# Altium PCB LimeSDR_Mini_1v1_Rounded_soldermask.PcbDoc (part 2 of 5)
Units mm, origin at the board's own origin, x right, y up, seen from the top; angles counter-clockwise.
Board outline 69 x 31.37 mm, 8 copper layers (Top, L2, L3, L4, L5, L6, L7, Bottom), stack 1.555 mm thick; 371 components, 281 nets, 1650 pads, 777 vias.
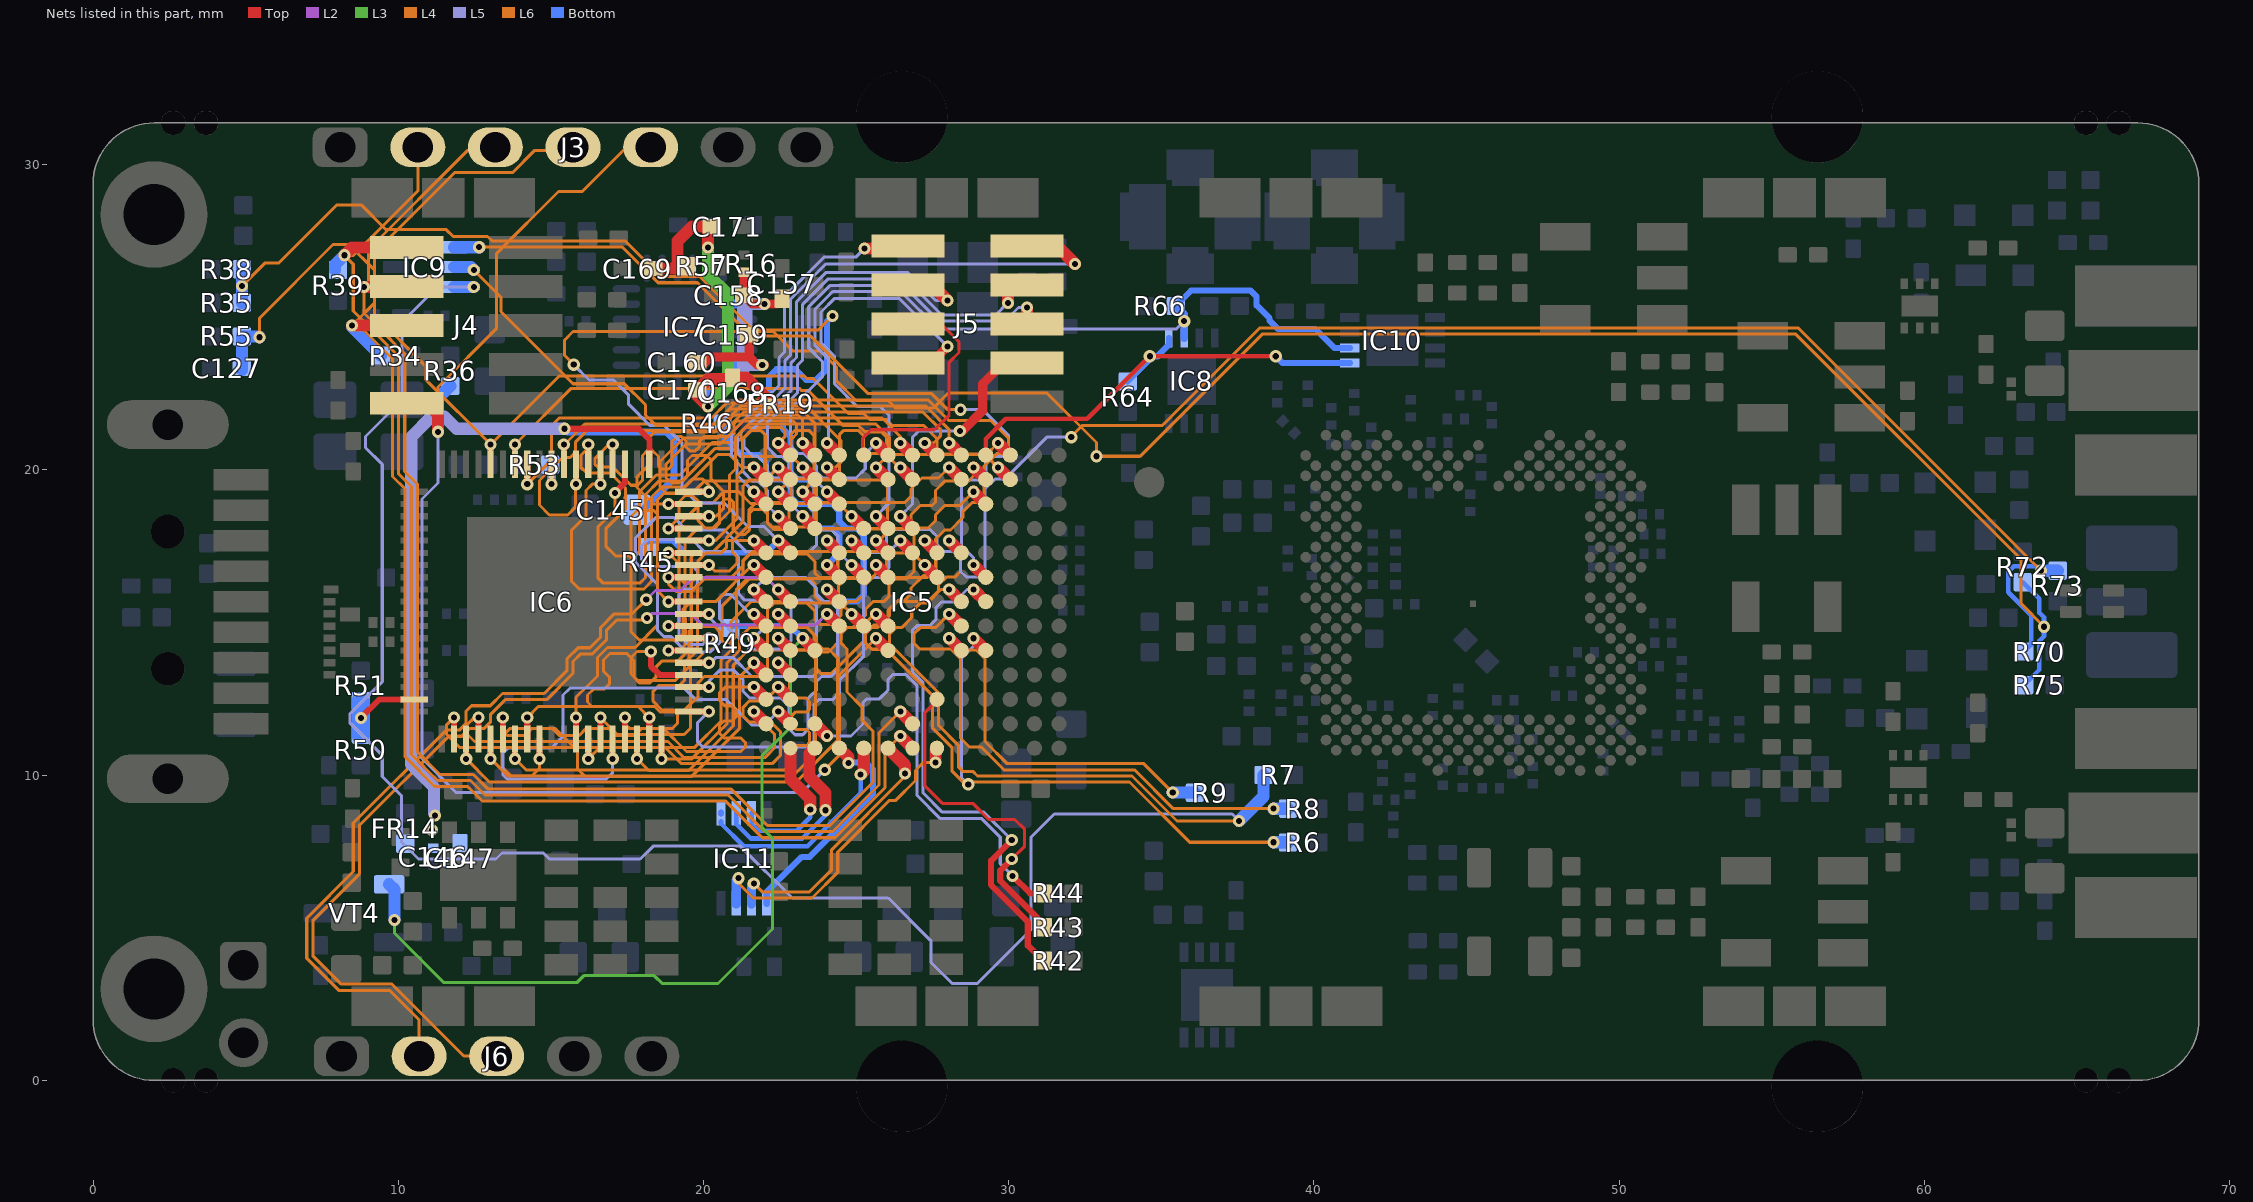
[diagram p8: the nets of this part, all layers, seen from the top]

## Footprints (in the part's own frame and the unit in brackets; to place one, negate y for a bottom-side part, rotate by r counter-clockwise, add the part's x,y. Pads: shape width x height; smd on the part's side, far side on the other; paste and mask are expansions set on the pad) (continued)
RES0805#1 [mm] "Chip Resistor, Body 2.0x1.2mm, 0805, IPC Medium Density"
  round 0.254 on Mech14: 0(0,0)
  rrect25% 0.8x1.3 smd: 1(-1,0) 2(1,0)
  Top pour cut-out: -0.6,0.75 0.6,0.75 0.6,-0.75 -0.6,-0.75
  silkscreen extent -0.38,-0.64 0.38,0.64, body extent -1.1,-0.67 1.1,0.68, height 0.69
RES0805#2 [mm] "Chip Resistor, Body 2.0x1.2mm, 0805, IPC Medium Density"
  round 0.254 on Mech15: 0(0,0)
  rrect25% 0.8x1.3 smd: 1(-1,0) 2(1,0)
  Top pour cut-out: -0.6,0.75 0.6,0.75 0.6,-0.75 -0.6,-0.75
  silkscreen extent -0.38,-0.63 0.38,0.64, body extent -1.1,-0.67 1.1,0.68, height 0.69
RES0805_0603 [mm] "Universal 0805 0603 footprint"
  round 0.254 on Mech15: 0(0,0)
  rrect25% 1x1.3 smd paste-3: 1(-0.9,0) 2(0.9,0)
  Top pour cut-out: -0.4,0.725 0.4,0.725 0.4,-0.775 -0.4,-0.775
  silkscreen extent -0.23,-0.7 0.23,0.7, body extent -1.1,-0.67 1.1,0.68, height 0.69
RFI_SHIELD_CLPS_MINI [mm] "RFI SHIELD CLIP MINI TIN SMD, S0971-46R"
  rect 2x1.3 smd paste-2 mask+0.05: 1(-2,0) 1(2,0)
  rect 1.4x1.3 smd paste-2 mask+0.05: 1(0,0)
  body extent -2.9,-0.5 2.9,0.5, height 1
SKY13411-374LF [mm]
  rect 0.35x0.25 smd mask+0.05: 1(-0.725,0.5) 2(-0.725,0) 3(-0.725,-0.5) 4(0.725,-0.5) 5(0.725,0) 6(0.725,0.5)
  rect 0.7x1.2 smd mask+0.05: PAD(0,0)
  silkscreen extent -1.14,-0.8 0.7,0.86, body extent -0.75,-0.75 0.75,0.75, height 0.48
SMA_CONNECTOR_BOARD_EDGE_SM [mm]
  rect 2x4.25 smd: 1(0,0)
  rect 2x4 smd far side: 2(-2.77,-0.1) 2(2.77,-0.1)
  rect 2x4 smd: 2(-2.77,-0.1) 2(2.77,-0.1)
  silkscreen extent -4.3,-1.9 4.3,2.5, body extent -3,-11.8 3,1.8, height 3.4
SOT23-3 [mm] "SOT23, 3 pin"
  round 0.5 on Mech14: 0(0,0)
  rrect25% 1x0.6 smd: D(1.15,0) G(-1.15,0.95) S(-1.15,-0.95)
  silkscreen extent -1.25,-1.45 0.38,1.81, body extent -1.4,-1.45 1.4,1.45, height 1.29
SWD_10_pin [mm]
  rect 0.75x2.4 smd paste-2: 1(-2.55,-1.95) 2(-2.55,1.95) 3(-1.275,-1.95) 4(-1.275,1.95) 5(0,-1.95) 6(0,1.95) 7(1.275,-1.95) 8(1.275,1.95) 9(2.55,-1.95) 10(2.55,1.95)
  silkscreen extent -3.2,-3.4 3.2,3.4, body extent -3.17,-2.75 3.17,2.75, height 6.37
TC1-1-13MA+_JA4220-AL_ [mm] "Balun compatible with TC1-1-13MA+ and JA4220-AL_"
  rect 0.9x1.65 smd: 1(-1.345,1.59) 3(1.345,1.59) 4(1.345,-1.59) 6(-1.345,-1.59)
  rect 0.76x1.65 smd: 2(0,1.59)
  silkscreen extent -2,-0.6 2,0.7, body extent -1.27,-1.61 1.28,1.61, height 2.8
USB3A_SM [mm]
  rect 0.7x1.8 smd: 1(-3,-1.2) 2(-1,-1.2) 3(1,-1.2) 4(3,-1.2) 5(4,-1.2) 6(2,-1.2) 7(0,-1.2) 8(-2,-1.2) 9(-4,-1.2)
  oval 1.6x4 hole 1 slot 2.5 at 90 deg: 10(-5.8,1.2) 10(5.8,1.2)
  round 1.1 hole 1.1 unplated: 11(-2.2,1.2) 11(2.3,1.2)
  silkscreen extent -6.95,-2.55 7.05,3.6, body extent -6,-1.75 6,19, height 1.8
W25Q40EWUXIE_8-USON [mm]
  rect 0.8x0.3 smd mask+0.05: 1(-1.475,0.75) 2(-1.475,0.25) 3(-1.475,-0.25) 4(-1.475,-0.75) 5(1.475,-0.75) 6(1.475,-0.25) 7(1.475,0.25) 8(1.475,0.75)
  rect 0.3x1.8 smd mask+0.05: PAD(0,0)
  silkscreen extent -1.55,-1.1 1,1.27, body extent -1.51,-1 1.51,1, height 0.6
WURTHELECTRONIC_RF_SHIELD [mm] "Man. part nr.: 36003250"
  body extent 0,0 26.8,26.8, height 3.1

## Part data
C1 C2 C3 C4 C5 C6 C7 C8 C9 C10 C11 C12 C13 C14 C15 C16 C17 C18 C19 C20 C21 C22 C23 C24 C25 C26 C27 C28 C29 C30 C31 C32 C33 C34 C35 C36 C37 C38 C39 C40 C41 C42 C43 C44 C45 C46 C47 C48 C49 C50 C51 C52 C53 C54 C55 C56 C57 C58 C59 C60 C61 C62 C63 C64 C65 C66 C67 C68 C69 C70 C71 C72 C73 C74 C75 C76 C77 C78 C79 C80 C81 C82 C83 C84 C85 C86 C87 C89 C90 C91 C92 C93 C94 C96 C97 C98 C99 C100 C101 C103 C104 C105 C106 C107 C109 C110 C111 C113 C114 C115 C116 C117 C118 C119 C120 C121 C122 C124 C126 C129 C130 C131 C132 C133 C134 C135 C136 C138 C139 C140 C141 C142 C143 C144 C146 C147 C148 C149 C151 C152 C153 C154 C155 C156 C157 C158 C159 C160 C161 C164 C165 C166 C167 C168 C169 C170 C171 C173 C178 C179 C183 MN3 MN4 MN5 MN6 MN11 MN12 MN13 MN14 MN15 MN16 MN17 MN18 MN19 MN21 MN22: library part Cap_0402
C88 C95 C102 C108 C112 C123 C125 C127 C128 C137 C145 C150 C162 C163 C172 C174 C175 C176 C177 C180 C181 C182 C184: library part Cap_0603
FR1 FR2 FR3 FR4 FR5 FR6 FR7 FR8 FR9 FR10 FR11 FR12 FR13 FR14 FR15 FR16 FR17 FR18 FR19 FR20 FR21 FR22: library part Ferrite
IC1: library part LMS7002Mr3, "Schematic symbol revision 3. Default footprint - 0.31mm pad"
IC2 IC10: library part M24128-DFMC6TG
IC9: library part AD5601BKSZ-REEL7, "Single 8-Bit nanoDAC with SPI Interface in LFCSP and SC70, 2.7 to 5.5 V, <100 uA, -40 to +125 degC, KS-6, Pb-Free, Reel"
IC12 IC13: "LXDC55KAAA-205"
J1 J2: library part RF_IF_connector, "CONN SMA JACK STR 50OHM EDGE MNT"
J3: library part Header7P, "Header, 7-pin"
J4 J5: library part "Header 5X2_SWD", "Header, 5-Pin, Dual row"
J6: library part Header5P, "Header, 5-pin"
J8 J9: library part RF_IF_connector, "CONN UMC RCPT STR 50 OHM SMD"
J10: library part Jumper
LED1: library part LED_green_red_SMD
LED2: library part LED_green_red_right_angle, "160-2033-1-ND"
MECH1 MECH2 MECH3 MECH4 MECH6 MECH8 MECH9 MECH10 MECH11 MECH12 MECH13 MECH14: library part RFI_SHIELD_CLIP
MECH5 MECH7 MECH15: library part RFI_SHIELD_1
MN1 MN2 MN7 MN8 MN20 MN23 MN24: library part Inductor_0603
MN9 MN10 R1 R2 R3 R4 R5 R6 R7 R8 R9 R10 R11 R12 R13 R14 R15 R16 R17 R18 R19 R20 R21 R22 R23 R24 R25 R26 R27 R28 R29 R30 R31 R32 R33 R34 R35 R36 R37 R38 R39 R40 R41 R42 R43 R44 R45 R46 R47 R48 R49 R50 R51 R52 R53 R54 R55 R56 R57 R58 R59 R60 R61 R62 R63 R64 R65 R66 R67 R68 R69 R70 R71 R72 R73 R74 R75 R76 R77 R78 R79 R80 R81 R82 R83 R84 R85: library part Res_0402
T1 T2 T3 T4: library part TC1-1-13M+
VT1 VT2 VT3: library part BF1105R,215
VT4: library part NDS331N, "NDS331N"
XO1: library part Rakon_RTX5032A
XT1: library part CRYSTAL_19M2, "Oscillator Crystal 25 MHz"

## Free pads (board coordinates)
  round 0.8 hole 0.8 unplated mask+0.05: 0(2.625,31.37) 0(2.625,0) 0(3.7,31.37) 0(3.7,0) 0(65.3,0) 0(65.3,31.37) 0(66.375,0) 0(66.375,31.37)
  round 3 hole 3 unplated mask+0.05: 0(26.5,-0.2) 0(26.5,31.57) 0(56.5,-0.2) 0(56.5,31.57)
  round 3.5 hole 2 mask+0.05: 2(2,3) 2(2,28.37)

## Via types
v1: diameter 0.4, hole 0.2, Top to Bottom, tented both sides, 543 vias
v2: diameter 0.4, hole 0.2, Top to Bottom, tented top, 113 vias
v3: diameter 0.35, hole 0.2, Top to Bottom, tented top, 87 vias
v4: diameter 0.5, hole 0.2, Top to Bottom, 25 vias
v5: diameter 0.5, hole 0.2, Top to Bottom, tented both sides, 8 vias
v6: diameter 0.35, hole 0.2, Top to Bottom, tented both sides, 1 vias

## Nets (pads, with @x,y where several pads share a name; then routed paths per layer and width w, separated by ;. In a path a pad name is that pad's centre, name@x,y a point inside that pad or via, vN(x,y) a via of type N, cw(c..) or ccw(c..) an arc to the next point about the centre after c; other vN are vias at no path point)
+1.8V_DIG_LMK: C157.2 C158.2 C159.2 C160.2 FR16.2 IC7.2 IC7.6 | length 10.5
  Top w0.3: C160.2@19.775,23.45 19.972,23.45 20.222,23.7 21.5,23.7 ; C158.2@21.325,25.725 21.615,25.435 v1(22,25.435) 22.4,25.435 C157.2@22.575,25.61 ; C158.2@21.325,25.725 FR16.2@21.325,26.48 ; C159.2@21.5,24.435 21.5,23.7 ; v1@22,23.435 21.765,23.435 21.5,23.7
  L5 w0.4: 21.35,23.435 v1(21.925,23.435) ; 21.35,25.435 v1(22,25.435)
  L5 w0.5: 21.35,23.435 21.35,25.435
  Bottom w0.3: IC7.6@21,23.435 IC7.6@21.325,23.435 v1(21.925,23.435) ; IC7.2@21,25.435 IC7.2@21.325,25.435 v1(22,25.435)
+3.3V_DIG_LMK: C168.2 C169.2 C170.2 C171.2 FR19.2 IC7.8 IC7.23 R57.2 | length 14.9
  Top w0.4: C169.2@18.35,26.6 19.15,26.6 19.15,27.492 19.633,27.975 C171.2@20.275,27.975 20.15,27.85 v1(20.15,27.285) ; v1(20.15,22.085) 19.8,22.435 C170.2@19.8,22.625 20.15,22.975 20.95,22.975 C168.2@20.95,23.025 21.395,23.025 FR19.2@22.245,22.175
  L3 w0.4: v1(20.15,22.085) 20.8,22.735 20.8,25.75 20.15,26.4 v1(20.15,27.285)
  L4 w0.4: v1(20.15,22.085) v1@20.157,22.085
  Bottom w0.3: v1(20.15,22.085) IC7.8@20.15,22.76 ; IC7.23@20.15,26.285 IC7.23@20.15,26.61 v1(20.15,27.285)
AVDD_FT: C145.2 C146.2 C147.1 FR14.2 IC6.2 | length 28.3
  Top w0.2: v1(15.45,21.35) 17.876,21.35 18.225,21.001 IC6.2@18.225,20.185
  L5 w0.4: v1@11.175,8.75 11.175,9.6 10.425,10.35 10.425,21.082 11.093,21.75 11.507,21.75 11.907,21.35 v1(15.45,21.35)
  Bottom w0.23: v1(15.45,21.35) 15.55,21.25 18.797,21.25 19.04,21.007 19.04,19.715 C145.2@18.025,18.7
  other v1: 11.1,8.2 11.2,8.675
BOM_VER0: IC5.K7 R42.2 | length 17.3
  Top w0.2: v1(30.1,7.875) 29.425,7.2 29.425,6.4 30.625,5.2 30.625,4.425 R42.2@31.125,3.925
  Top w0.4: v1(28.85,16.085) IC5.K7@29.25,15.685
  L5 w0.1: v1(28.85,16.085) 28.635,16.085 28.225,15.675 27.8,15.675 27.625,15.5 27.625,15.1 27.425,14.9 27,14.9 26.85,14.75 26.85,13.375 27.2,13.025 27.2,9.416 27.828,8.787 29.188,8.787 v1(30.1,7.875)
BOM_VER1: IC5.H3 R43.2 | length 11
  Top w0.1: IC5.H3@27.65,12.485 27.65,12.45 27.25,12.05 27.25,9.65 27.825,9.075 28.825,9.075 29.35,8.55 30.2,8.55 30.525,8.225 30.525,7.675 v1(30.1,7.25)
  Top w0.2: v1(30.1,7.25) 29.725,6.875 29.725,6.534 31.127,5.132 R43.2@31.127,5.02
BOM_VER2: IC5.C2 R44.2 | length 14.7
  Top w0.2: v1(30.125,6.7) 30.7,6.125 R44.2@31.125,6.125
  Top w0.4: IC5.C2@23.65,11.685 v1(24.05,11.285)
  L5 w0.1: v1(24.05,11.285) 24.835,11.285 25.225,11.675 25.225,12.375 25.35,12.5 25.76,12.5 26.05,12.79 26.05,13.15 26.2,13.3 26.625,13.3 27,12.925 27,9.333 27.745,8.587 29.105,8.587 29.725,7.967 29.725,7.1 v1(30.125,6.7)
FAN_CTRL: IC5.C5 R49.2 VT4.G | length 29
  Top w0.4: v2(23.25,14.485) IC5.C5@23.65,14.085
  L3 w0.1: v1(9.875,5.25) 9.875,4.825 11.5,3.2 15.85,3.2 16.08,3.43 18.39,3.43 18.645,3.175 20.475,3.175 22.262,4.962 22.262,7.938 21.925,8.275 21.925,10.65 22.85,11.575 22.85,14.085 v2(23.25,14.485)
  Bottom w0.2: R49.2@20.875,14.825 20.935,14.885 22.85,14.885 v2(23.25,14.485)
  Bottom w0.4: VT4.G@9.7,6.425 9.875,6.25 v1(9.875,5.25)
FPGA_CONFIG_SEL: IC5.D7 R35.2 R38.2 | length 38.6
  Top w0.4: v2(24.05,16.085) IC5.D7@24.45,15.685
  L4 w0.1: v1(4.875,26.025) 5.625,26.775 6.075,26.775 7.975,28.675 8.8,28.675 9.6,27.875 11.575,27.875 11.8,27.65 12.925,27.65 13.075,27.5 17.433,27.5 18.598,26.335 19.89,26.335 21.64,24.585 23.76,24.585 v1(24.225,25.05)
  Bottom w0.2: v2(24.05,16.085) 24.45,15.685 25.016,15.685 25.25,15.919 25.25,17.851 25.016,18.085 24.684,18.085 24.45,18.319 24.45,18.651 24.216,18.885 23.884,18.885 23.65,19.119 23.65,19.451 23.416,19.685 23.04,19.685 22.85,19.875 22.85,21.1 22.6,21.35 22.6,22 22.15,22.45 22.15,23.054 22.396,23.3 23.009,23.3 23.359,22.95 23.691,22.95 24.05,23.309 24.05,24.875 v1(24.225,25.05)
  Bottom w0.4: R35.2@4.875,25.475 v1(4.875,26.025) R38.2@4.875,26.575
FPGA_EGPIO0: IC5.B7 J6.2 | length 29.4
  Top w0.4: v2(22.45,16.085) IC5.B7@22.85,15.685
  L2 w0.1: v1(18.125,15.75) 18.425,16.05 19.25,16.05 19.675,16.475 22.06,16.475 v2(22.45,16.085)
  L6 w0.1: J6.2@10.682,0.795 10.682,1.977 9.709,2.95 8.05,2.95 7,4 7,5.316 8.525,6.841 8.525,8.433 11.567,11.475 12,11.475 12.225,11.7 12.225,12.1 12.4,12.275 13.017,12.275 13.417,12.675 14.781,12.675 15.525,13.419 15.525,13.808 15.892,14.175 16.281,14.175 16.625,14.519 16.625,14.834 17.076,15.285 17.66,15.285 v1(18.125,15.75)
FPGA_EGPIO1: IC5.D6 J6.3 | length 31.9
  Top w0.4: v2(24.05,15.285) IC5.D6@24.45,14.885
  L2 w0.1: v1(18.15,15.15) 18.3,15.3 19.575,15.3 19.95,14.925 23.69,14.925 v2(24.05,15.285)
  L6 w0.1: J6.3@13.225,0.795 12.147,0.795 9.792,3.15 8.133,3.15 7.2,4.083 7.2,5.233 8.725,6.758 8.725,8.35 11.65,11.275 12.083,11.275 12.333,11.525 12.8,11.525 13.025,11.75 13.025,12 13.5,12.475 14.864,12.475 15.725,13.336 15.725,13.725 15.975,13.975 16.364,13.975 16.825,14.436 16.825,14.751 17.159,15.085 18.085,15.085 v1(18.15,15.15)
FPGA_GPIO0: IC5.A11 J5.1 | length 12.7
  Top w0.4: v2(21.65,19.285) IC5.A11@22.05,18.885 ; v1(25.275,27.26) J5.1@26.7,27.26
  L5 w0.1: v2(21.65,19.285) 21.1,19.835 21.1,20.317 20.92,20.497 20.92,21.216 22.475,22.771 22.475,23.675 22.65,23.85 22.65,25.675 23.95,26.975 24.99,26.975 v1(25.275,27.26)
FPGA_GPIO1: IC5.B10 J5.2 | length 20.7
  Top w0.4: v2(22.45,18.485) IC5.B10@22.85,18.085 ; J5.2@30.6,27.335 31.59,27.335 v1(32.175,26.75)
  L5 w0.1: v2(22.45,18.485) 22.1,18.835 22.1,19.33 21.795,19.635 21.605,19.635 21.3,19.94 21.3,20.4 21.12,20.58 21.12,21.133 22.675,22.688 22.675,23.592 22.85,23.767 22.85,25.592 24.008,26.75 v1(32.175,26.75)
FPGA_GPIO2: IC5.C10 J5.3 | length 16.5
  Top w0.4: v2(23.25,18.485) IC5.C10@23.65,18.085 ; J5.3@26.7,26.06 27.49,26.06 v1(28,25.55)
  L5 w0.1: v2(23.25,18.485) 22.9,18.835 22.9,19.33 22.495,19.735 22.305,19.735 22.1,19.94 22.1,20.13 21.773,20.457 21.623,20.457 21.32,20.76 21.32,21.05 22.875,22.605 22.875,23.509 23.05,23.684 23.05,25.509 24.005,26.465 26.701,26.465 27.616,25.55 v1(28,25.55)
FPGA_GPIO3: IC5.D11 J5.4 | length 16.7
  Top w0.4: v2(24.05,19.285) IC5.D11@24.45,18.885 ; v1(29.975,25.475) J5.4@29.975,26.06
  L5 w0.1: v2(24.05,19.285) 23.6,19.735 23.105,19.735 22.8,20.04 22.8,20.23 22.595,20.435 22.405,20.435 22.1,20.74 22.1,21.547 23.075,22.522 23.075,23.426 23.25,23.601 23.25,25.426 24.088,26.265 26.618,26.265 27.808,25.075 29.575,25.075 v1(29.975,25.475)
FPGA_GPIO4: IC5.E13 J5.5 | length 8.2
  Top w0.1: IC5.E13@25.25,20.485 25.217,20.518 25.217,21.042 25.493,21.318 27.57,21.318 28.05,21.798 28.05,23.525 28.375,23.85 28.375,24.2 27.79,24.785 J5.5@26.7,24.785
FPGA_GPIO5: IC5.F13 J5.6 | length 18.5
  Top w0.4: v2(25.65,20.885) IC5.F13@26.05,20.485 ; J5.6@30.6,24.785 v1(30.6,25.325)
  L5 w0.1: v2(25.65,20.885) 25.3,20.535 25.3,20.04 24.995,19.735 23.905,19.735 23.7,19.94 23.7,20.13 23.295,20.535 23.105,20.535 22.85,20.79 22.85,22 23.9,23.05 23.9,23.55 23.45,24 23.45,25.344 24.156,26.05 26.55,26.05 27.725,24.875 29.87,24.875 30.32,25.325 v1(30.6,25.325)
FPGA_GPIO6: IC5.F10 J5.7 | length 15.3
  Top w0.3: J5.7@26.7,23.51 27.46,23.51 v1(28,24.05)
  Top w0.4: v2(25.65,18.485) IC5.F10@26.05,18.085
  L5 w0.1: v2(25.65,18.485) 26.075,18.91 26.075,21.8 25.8,22.075 25.042,22.075 24.3,22.817 24.3,23.716 23.85,24.166 23.85,25.178 24.297,25.625 26.409,25.625 27.984,24.05 v1(28,24.05)
FPGA_GPIO7: IC5.G10 J5.8 | length 8.6
  Top w0.3: v1@28.425,21.225 29.15,21.95 29.15,22.825 29.835,23.51 J5.8@30.6,23.51
  Top w0.4: v2(26.45,18.485) IC5.G10@26.85,18.085
  L5 w0.1: v2(26.45,18.485) 26.85,18.885 26.85,21.075 27.05,21.275 v1(28.4,21.275)
FPGA_I2C_SCL: IC5.D13 IC8.2 IC10.6 R66.2 | length 26.2
  Top w0.4: v2(24.05,20.885) IC5.D13@24.45,20.485
  L5 w0.1: v2(24.05,20.885) 24.1,20.935 24.1,23.633 23.65,24.083 23.65,25.261 24.239,25.85 26.467,25.85 27.692,24.625 35.5,24.625 v1(35.75,24.875)
  Bottom w0.2: R66.2@35.475,25.375 35.975,25.875 37.925,25.875 38.125,25.675 38.125,25.391 38.55,24.966 38.55,24.896 38.821,24.625 40.05,24.625 40.675,24 IC10.6@41.175,24
  Bottom w0.25: R66.2@35.475,25.375 35.75,25.1 v1(35.75,24.875) IC8.2@35.75,24.325
FPGA_I2C_SDA: IC5.K13 IC8.1 IC10.5 R64.2 | length 15.9
  Top w0.15: IC5.K13@29.192,20.543 IC5.K13@29.25,20.485 29.25,21.015 29.91,21.675 32.575,21.675 v1(34.625,23.725) v1(38.75,23.725)
  Bottom w0.2: R64.2@33.9,22.9 34.625,23.625 v1(34.625,23.725) 34.875,23.725 35.25,24.1 IC8.1@35.25,24.325 ; v1(38.75,23.725) 38.975,23.5 IC10.5@41.175,23.5
FPGA_JTAG_TCK: IC5.G2 J3.2 J4.1 R39.1 | length 44.9
  Top w0.4: v1(8.235,27.035) 8.485,27.285 J4.1@10.275,27.285 ; v2(26.45,12.085) IC5.G2@26.85,11.685
  L4 w0.1: v1(8.235,27.035) 8.525,26.745 8.525,25.209 9.567,24.167 10.012,23.72 10.012,19.87 10.425,19.458 10.425,10.683 11.283,9.825 12.369,9.825 12.844,9.35 20.808,9.35 22.008,8.15 24.225,8.15 25.75,9.675 25.75,11.385 v2(26.45,12.085)
  L6 w0.1: v1(8.235,27.035) 8.535,27.035 10.639,29.139 J3.2@10.639,30.475
  Bottom w0.4: R39.1@7.925,26.55 7.925,26.725 v1(8.235,27.035)
FPGA_JTAG_TDI: IC5.F5 J3.5 J4.9 R36.1 | length 47
  Top w0.4: J4.9@10.275,22.185 10.94,22.185 11.3,21.825 v1(11.3,21.25) ; v2(25.65,14.485) IC5.F5@26.05,14.085
  L5 w0.1: v1(11.3,21.25) 11.3,19.575 10.775,19.05 10.775,10.55 11.9,9.425 23.225,9.425 v1(23.975,10.175)
  L6 w0.1: v1(11.3,21.25) 11.3,22.72 13.225,24.645 13.225,27.1 15.25,29.125 16.03,29.125 17.38,30.475 J3.5@18.268,30.475 ; v1(23.975,10.175) 24.45,10.65 24.45,13.285 v2(25.65,14.485)
  Bottom w0.4: v1(11.3,21.25) 11.3,22.35 R36.1@11.7,22.75
FPGA_JTAG_TDO: IC5.F6 J3.3 J4.3 | length 48
  Top w0.4: v1(8.875,26) 10.265,26 J4.3@10.275,26.01 ; v2(25.65,15.285) IC5.F6@26.05,14.885
  L4 w0.1: v1(8.875,26) 8.875,25.142 9.771,24.246 9.771,24.245 10.212,23.803 10.212,19.953 10.625,19.541 10.625,10.766 11.366,10.025 12.452,10.025 12.927,9.55 20.891,9.55 22.091,8.35 24.142,8.35 25.55,9.758 25.55,11.45 25.2,11.8 25.2,12.23 24.705,12.725 24.705,14.135 24.5,14.34 24.5,14.63 24.705,14.835 25.16,14.835 25.61,15.285 v2(25.65,15.285)
  L6 w0.1: v1(8.875,26) 9.025,26.15 9.025,27.225 12.275,30.475 J3.3@13.182,30.475
FPGA_JTAG_TMS: IC5.G1 J3.4 J4.5 R34.1 | length 48.7
  Top w0.4: v1(8.485,24.735) J4.5@10.275,24.735 ; v2(26.45,11.285) IC5.G1@26.85,10.885
  L4 w0.1: v1(8.485,24.735) 8.715,24.735 9.812,23.638 9.812,19.788 10.225,19.375 10.225,10.6 11.2,9.625 12.286,9.625 12.761,9.15 20.725,9.15 21.925,7.95 24.308,7.95 25.95,9.592 25.95,10.785 v2(26.45,11.285)
  L6 w0.1: v1(8.485,24.735) 9.225,25.475 9.225,27.125 11.85,29.75 13.75,29.75 14.475,30.475 J3.4@15.725,30.475
  Bottom w0.4: v1(8.485,24.735) 8.485,24.69 R34.1@9.425,23.75
FPGA_LED_G: IC5.D8 R46.2 R70.2 R73.2 | length 63.1
  Top w0.4: v2(24.05,16.885) IC5.D8@24.45,16.485
  L4 w0.1: v1@31.975,21.025 32.4,21.45 35.025,21.45 38.225,24.65 55.875,24.65 v1(63.825,16.7)
  L5 w0.1: v2(24.05,16.885) 24.485,16.45 25.05,16.45 25.275,16.675 25.275,17.075 25.5,17.3 25.782,17.3 26,17.518 26,17.9 26.15,18.05 27.425,18.05 27.65,17.825 27.65,17.575 27.9,17.325 28.2,17.325 28.425,17.1 28.425,16.675 28.6,16.5 29.05,16.5 29.225,16.675 29.225,19.375 29.55,19.7 29.875,19.7 31.25,21.075 v1(32.05,21.075)
  Bottom w0.15: R70.2@63.275,14.05 63.5,14.275 63.5,15.238 62.75,15.988 62.75,16.662 62.938,16.85 63.675,16.85 v1(63.825,16.7)
  Bottom w0.2: R46.2@20.675,21.475 20.675,21.065 21.255,20.485 21.816,20.485 22.05,20.251 22.05,19.919 22.284,19.685 22.616,19.685 22.85,19.451 22.85,19.119 23.084,18.885 23.416,18.885 23.65,18.651 23.65,18.275 23.84,18.085 24.216,18.085 24.45,17.851 24.45,17.285 v2(24.05,16.885)
  Bottom w0.4: v1(63.825,16.7) R73.2@64.375,16.7
FPGA_LED_R: IC5.B9 R45.2 R72.2 R75.2 | length 77.9
  Top w0.4: v2(22.45,17.685) IC5.B9@22.85,17.285
  L4 w0.1: v1(32.875,20.45) 34.308,20.45 38.308,24.45 55.792,24.45 63.175,17.067 63.175,15.612 v1(63.925,14.863)
  L5 w0.1: v1(15.75,23.45) 16.25,22.95 17.05,22.95 17.55,22.45 17.55,22.15 18.25,21.45 18.725,21.45 19.3,20.875 19.3,19.425 19.8,18.925 20.675,18.925 21.45,18.15 21.985,18.15 v2(22.45,17.685)
  L6 w0.1: v1(15.75,23.45) 15.45,23.75 15.45,24.26 15.725,24.535 22.29,24.535 22.925,23.9 23.825,23.9 24.35,23.375 24.35,22.925 25,22.275 26.05,22.275 26.3,22.025 27.525,22.025 28.025,22.525 31.25,22.525 32.875,20.9 v1(32.875,20.45)
  Bottom w0.15: R72.2@63.225,16.325 63.775,15.775 63.775,15.325 63.925,15.175 v1(63.925,14.863) 63.925,14.55 63.775,14.4 63.775,13.461 R75.2@63.264,12.95
  Bottom w0.19: R45.2@18.175,17.65 18.205,17.68 19.014,17.68 19.409,17.285 22.05,17.285
  Bottom w0.2: 22.05,17.285 v2(22.45,17.685)
FPGA_QSPI_FLASH_SS: IC5.E1 IC11.1 | length 7.2
  Top w0.4: v1(25.15,10.019) 25.25,10.119 IC5.E1@25.25,10.885
  Bottom w0.15: IC11.1@20.575,8.492 20.575,8.417 21.317,7.675 23.408,7.675 25.15,9.417 v1(25.15,10.019)
  Bottom w0.2: IC11.1@20.575,8.75 IC11.1@20.575,8.775
FPGA_QSPI_IO0: IC5.D1 IC11.5 | length 7.5
  Top w0.4: IC5.D1@24.45,10.885 24.75,10.585 v1(24.75,10.4)
  Bottom w0.2: IC11.5@22.075,5.775 22.075,6.175 23.225,7.325 23.482,7.325 25.55,9.393 25.55,10.185 25.316,10.419 24.769,10.419 v1(24.75,10.4)
FPGA_QSPI_IO1: IC5.C1 IC11.2 | length 6.2
  Top w0.4: IC5.C1@23.65,10.885 23.475,10.71 23.475,9.95 24,9.425 v1@24,8.9
  Bottom w0.15: IC11.2@21.075,8.775 21.075,8.4 21.55,7.925 23.233,7.925 24,8.692 v1(24,8.85)
FPGA_QSPI_IO2: IC5.B1 IC11.3 | length 5.1
  Top w0.4: IC5.B1@22.85,10.885 22.85,9.868 23.5,9.218 v1(23.5,8.875)
  Bottom w0.15: IC11.3@21.575,8.775 21.575,8.4 21.8,8.175 23.059,8.175 23.5,8.616 v1(23.5,8.875)
FPGA_QSPI_IO3: IC5.H1 IC11.7 | length 10.6
  Top w0.4: v2@27.6,10.45 27.6,10.835 IC5.H1@27.65,10.885
  L4 w0.1: v1(21.15,6.625) 21.15,6.455 21.63,5.975 23.558,5.975 24.4,6.817 24.4,7.476 26.099,9.175 26.3,9.175 26.95,9.825 26.95,10.15 27.219,10.419 v2(27.6,10.419)
  Bottom w0.3: IC11.7@21.075,5.775 21.075,6.55 v1(21.15,6.625)
FPGA_QSPI_SCLK: IC5.F1 IC11.6 | length 8.9
  Top w0.4: IC5.F1@26.05,10.885 26.6,10.335 v1(26.6,10.05)
  L4 w0.1: v1(21.65,6.45) 21.925,6.175 23.475,6.175 24.2,6.9 24.2,7.559 26.6,9.959 v1(26.6,10.05)
  Bottom w0.3: IC11.6@21.575,5.775 21.575,6.375 v1(21.65,6.45)
FPGA_SPI_DAC_SS: IC5.K8 IC9.1 | length 26.8
  Top w0.4: v2(28.85,16.885) IC5.K8@29.25,16.485
  L4 w0.1: v1(12.65,27.3) 17.35,27.3 18.515,26.135 19.807,26.135 21.557,24.385 23.51,24.385 25.395,22.5 27.475,22.5 28,21.975 v1(28.425,21.975)
  L5 w0.1: v1(28.425,21.975) 29.15,21.975 30,21.125 30,20.74 30,20.675 29.775,20.45 29.425,20.45 29.25,20.275 29.25,19.875 29.05,19.675 28.65,19.675 28.45,19.475 28.45,17.525 28.85,17.125 v2(28.85,16.885)
  Bottom w0.4: IC9.1@11.825,27.3 v1(12.65,27.3)
FPGA_SPI_LMS_SS: IC5.J5 R9.2 | length 12.3
  Top w0.4: v2(28.05,14.485) IC5.J5@28.45,14.085
  L4 w0.1: v2(28.05,14.485) 28.435,14.1 28.93,14.1 29.225,13.805 29.225,11.1 29.95,10.375 34.428,10.375 v1(35.375,9.428)
  Bottom w0.4: v1(35.375,9.428) R9.2@36.1,9.428
FPGA_SPI_MISO: IC5.J6 R8.2 | length 18.3
  Top w0.4: v2(28.05,15.285) IC5.J6@28.45,14.885
  L4 w0.1: v2(28.05,15.285) 27.6,14.835 27.105,14.835 26.9,14.63 26.9,14.325 27.09,14.135 28.095,14.135 28.425,13.805 28.425,11.215 28.715,10.925 29.1,10.925 29.85,10.175 34.125,10.175 35.397,8.903 v1(38.675,8.903)
  Bottom w0.4: v1(38.675,8.903) R8.2@39.15,8.903
FPGA_SPI_MOSI: IC5.J7 IC9.3 R7.2 | length 77.1
  Top w0.4: v2(28.05,16.085) IC5.J7@28.45,15.685
  L4 w0.1: v2(28.05,16.085) 27.785,16.085 27.335,15.635 27.105,15.635 26.825,15.355 26.825,15.165 26.495,14.835 26.305,14.835 26.1,14.63 26.1,14.3 27.7,12.7 27.7,11.633 28.35,10.983 28.35,10.275 28.498,10.127 28.825,10.127 28.977,9.975 34.042,9.975 35.517,8.5 v1(37.55,8.5)
  L5 w0.1: v1(12.475,26) 11.284,26 10.125,24.841 10.125,22.295 8.925,21.095 8.925,20.733 9.475,20.183 9.475,13.066 9.471,13.066 8.425,12.02 8.425,11.7 9.475,10.65 9.475,9.957 10.1,9.332 10.1,7.814 10.664,7.25 13.2,7.25 13.4,7.45 14.75,7.45 14.95,7.25 17.925,7.25 18.35,7.675 21.21,7.675 22.91,5.975 26.05,5.975 27.45,4.575 27.45,3.875 28.15,3.175 28.975,3.175 30.725,4.925 30.725,7.955 31.495,8.725 37.325,8.725 v1(37.55,8.5)
  Bottom w0.4: IC9.3@11.825,26 v1(12.475,26) ; v1(37.55,8.5) 38.35,9.3 R7.2@38.35,10.003
FPGA_SPI_SCLK: IC5.K5 IC9.2 R6.2 | length 54.2
  Top w0.4: v2(28.85,14.485) IC5.K5@29.25,14.085
  L4 w0.1: v1(12.475,26.55) 13.362,25.662 13.362,25.188 15.725,22.825 17.408,22.825 18.1,22.133 18.1,21.8 18.45,21.45 20.3,21.45 21.15,22.3 27.355,22.3 28.03,21.625 29.405,21.625 30,21.03 30,20.74 29.795,20.535 29.605,20.535 29.2,20.13 29.2,19.14 28.995,18.935 28.805,18.935 28.5,18.63 28.5,18.44 28.095,18.035 27.905,18.035 27.6,17.73 27.6,16.74 27.395,16.535 27.205,16.535 26.8,16.13 26.8,15.94 26.595,15.735 26.385,15.735 26.1,15.45 26.1,15.24 25.695,14.835 25.505,14.835 25.3,14.63 25.3,14.34 25.515,14.125 25.992,14.125 27.5,12.617 27.5,11.55 28.15,10.9 28.15,10.125 28.575,9.7 v1(28.675,9.7) ; v1@28.782,9.775 33.959,9.775 35.932,7.803 v1(38.675,7.803)
  L5 w0.1: v1(28.675,9.7) 28.45,9.925 28.45,13.825 28.85,14.225 v2(28.85,14.485)
  Bottom w0.4: IC9.2@11.825,26.65 12.375,26.65 v1(12.475,26.55) ; v1(38.675,7.803) R6.2@39.15,7.803
FT_BE0: IC5.B11 IC6.4 | length 15.7
  Top w0.2: v1(17.1,19.25) 17.425,19.575 IC6.4@17.425,20.185
  Top w0.4: v2(22.45,19.285) IC5.B11@22.85,18.885
  L6 w0.1: v1(17.1,19.25) 17.1,18.7 16.55,18.15 16.55,16.45 16.7,16.3 17.925,16.3 18.1,16.475 18.1,19.196 18.539,19.635 19.307,19.635 20.372,20.7 20.95,20.7 21.215,20.435 22.595,20.435 22.8,20.23 22.8,19.635 v2(22.45,19.285)
FT_BE1: IC5.C12 IC6.5 | length 14.1
  Top w0.2: IC6.5@17.025,20.185 v1(17.025,20.835)
  Top w0.4: v2(23.25,20.085) IC5.C12@23.65,19.685
  L6 w0.1: v1(17.025,20.835) 16.9,20.835 16.45,20.385 16.45,20.175 16.525,20.1 17.028,20.1 17.628,19.5 17.839,19.5 18,19.661 18,20.475 18.175,20.65 18.315,20.65 18.525,20.44 18.525,20.125 18.615,20.035 18.86,20.035 18.975,20.15 18.975,20.95 19.125,21.1 19.275,21.1 19.425,20.95 19.425,20.75 19.55,20.625 19.732,20.625 19.875,20.768 19.875,20.962 20.013,21.1 20.9,21.1 21,21.2 21,21.517 21.083,21.6 22.95,21.6 23.05,21.5 23.05,21.18 22.875,21.005 22.875,20.46 v2(23.25,20.085)
FT_BE2: IC5.A12 IC6.6 | length 14.6
  Top w0.2: v1(16.625,19.535) IC6.6@16.625,20.185
  Top w0.4: v2(21.65,20.085) IC5.A12@22.05,19.685
  L6 w0.1: v1(16.625,19.535) 16.36,19.535 16.15,19.325 16.15,18.5 15.675,18.025 15.675,16.35 15.925,16.1 18.05,16.1 18.3,16.35 18.3,19.113 18.622,19.435 19.39,19.435 20.455,20.5 20.85,20.5 21.265,20.085 v2(21.65,20.085)
FT_BE3: IC5.B13 IC6.7 | length 15.6
  Top w0.2: IC6.7@16.225,20.185 v1(16.225,20.835)
  Top w0.4: v2(22.45,20.885) IC5.B13@22.85,20.485
  L6 w0.1: v1(16.225,20.835) 16.21,20.835 16.21,20.702 15.983,20.475 15.983,20.092 16.175,19.9 16.945,19.9 17.45,19.395 17.45,18.725 16.8,18.075 16.8,17.5 17.115,17.185 17.76,17.185 17.9,17.325 17.9,19.278 18.457,19.835 19.224,19.835 20.289,20.9 21.1,20.9 21.225,21.025 21.225,21.25 21.375,21.4 22.55,21.4 22.675,21.275 22.675,21.11 v2(22.45,20.885)
FT_CLK: IC5.G9 IC6.58 | length 14.5
  Top w0.2: IC6.58@19.525,12.085 v1(20.175,12.085)
  Top w0.4: v2(26.45,17.685) IC5.G9@26.85,17.285
  L5 w0.1: v1(20.175,12.085) 19.8,11.71 19.8,11.1 19.975,10.925 23.425,10.925 23.625,11.125 23.625,12.325 23.775,12.475 24.225,12.475 24.45,12.7 24.45,13.1 25.25,13.9 25.25,16.225 25.5,16.475 25.75,16.475 26.075,16.8 26.075,17.31 v2(26.45,17.685)
FT_D0: IC5.A2 IC6.40 | length 15.2
  Top w0.2: IC6.40@11.825,11.185 v1@11.825,11.835
  Top w0.4: v2(21.65,12.085) IC5.A2@22.05,11.685
  L4 w0.1: v1(11.825,11.885) 11.575,11.635 11.575,11.35 12.025,10.9 18.755,10.9 19.28,10.375 22.25,10.375 22.525,10.65 22.525,11.425 21.865,12.085 v2(21.65,12.085)
FT_D1: IC5.B6 IC6.41 | length 19.6
  Top w0.2: v1(12.225,10.535) IC6.41@12.225,11.185
  Top w0.4: v2(22.45,15.285) IC5.B6@22.85,14.885
  L4 w0.1: v1(12.225,10.535) 12.985,9.775 23.035,9.775 24.4,11.14 24.4,13.83 24.095,14.135 23.905,14.135 23.7,14.34 23.7,14.53 23.355,14.875 22.86,14.875 v2(22.45,15.285)
FT_D2: IC5.B3 IC6.42 | length 16
  Top w0.2: IC6.42@12.625,11.185 v1@12.625,11.835
  Top w0.4: v2(22.45,12.885) IC5.B3@22.85,12.485
  L4 w0.1: v1(12.625,11.885) 12.485,11.885 12.25,11.65 12.25,11.35 12.5,11.1 18.838,11.1 19.363,10.575 22.009,10.575 22.325,10.891 22.325,11.342 21.932,11.735 21.505,11.735 21.3,11.94 21.3,12.23 21.505,12.435 22,12.435 v2(22.45,12.885)
FT_D3: IC5.B5 IC6.43 | length 17
  Top w0.2: v1(13.025,10.535) IC6.43@13.025,11.185
  Top w0.4: v2(22.45,14.485) IC5.B5@22.85,14.085
  L4 w0.1: v1(13.025,10.535) 13.585,9.975 22.925,9.975 23.675,10.725 23.675,13.8 23.375,14.1 22.835,14.1 v2(22.45,14.485)
FT_D4: IC5.A3 IC6.44 | length 14.9
  Top w0.2: IC6.44@13.425,11.185 v1@13.425,11.835
  Top w0.4: v2(21.65,12.885) IC5.A3@22.05,12.485
  L4 w0.1: v1(13.425,11.885) 13.425,11.45 13.575,11.3 14.135,11.3 14.36,11.525 15.05,11.525 15.275,11.3 15.925,11.3 16.16,11.535 16.89,11.535 17.125,11.3 17.75,11.3 17.985,11.535 18.686,11.535 19.446,10.775 21.225,10.775 21.375,10.925 21.375,11.065 21.215,11.225 20.675,11.225 20.525,11.375 20.525,11.625 20.675,11.775 20.925,11.775 21.075,11.925 21.075,12.125 20.925,12.275 20.7,12.275 20.525,12.45 20.525,12.7 20.71,12.885 v2(21.65,12.885)
FT_D5: IC5.B4 IC6.45 | length 15.9
  Top w0.2: v1(13.825,10.535) IC6.45@13.825,11.185
  Top w0.4: v2(22.45,13.685) IC5.B4@22.85,13.285
  L4 w0.1: v1(13.825,10.535) 14.185,10.175 22.675,10.175 22.85,10.35 22.85,10.85 22.975,10.975 23.375,10.975 23.475,11.075 23.475,11.4 23.375,11.5 23.025,11.5 22.825,11.7 22.825,11.875 23.025,12.075 23.4,12.075 23.475,12.15 23.475,12.4 23.34,12.535 22.99,12.535 22.825,12.7 22.825,13.31 v2(22.45,13.685)
FT_D6: IC5.E6 IC6.46 | length 15.1
  Top w0.2: IC6.46@14.225,11.185 v1@14.225,11.835
  Top w0.4: v2(24.85,15.285) IC5.E6@25.25,14.885
  L4 w0.1: v1(14.225,11.885) 14.59,12.25 18.4,12.25 18.575,12.075 19.325,12.075 19.825,12.575 19.825,13.03 20.03,13.235 21.86,13.235 22.1,13.475 22.1,15.43 22.305,15.635 24.5,15.635 v2(24.85,15.285)
FT_D7: IC5.A4 IC6.47 | length 15.9
  Top w0.2: v1(14.625,10.535) IC6.47@14.625,11.185
  Top w0.4: v2(21.65,13.685) IC5.A4@22.05,13.285
  L6 w0.1: v1(14.625,10.535) 14.625,10.225 14.375,9.975 13.7,9.975 13.4,10.275 13.4,11.275 13.65,11.525 15.15,11.525 15.875,10.8 15.875,10.2 16.125,9.95 19.6,9.95 21.175,11.525 21.175,13.21 v2(21.65,13.685)
FT_D8: IC5.B12 IC6.50 | length 14.4
  Top w0.2: IC6.50@15.825,11.185 v1@15.825,11.835
  Top w0.4: v2(22.45,20.085) IC5.B12@22.85,19.685
  L6 w0.1: v1(15.825,11.885) 15.825,12.55 16.525,13.25 16.525,13.854 16.856,14.185 17.76,14.185 18.5,14.925 18.5,19.03 18.705,19.235 19.63,19.235 20.03,19.635 22,19.635 v2(22.45,20.085)
FT_D9: IC5.H8 IC6.51 | length 18.2
  Top w0.2: v1(16.225,10.535) IC6.51@16.225,11.185
  Top w0.4: v2(27.25,16.885) IC5.H8@27.65,16.485
  L6 w0.1: v1(16.225,10.535) 16.59,10.9 19.701,10.9 20.575,11.774 20.575,13.766 20.9,14.091 20.9,15.03 21.555,15.685 23.345,15.685 23.65,15.38 23.65,15.11 23.825,14.935 24.195,14.935 24.5,15.24 24.5,15.43 24.755,15.685 25.01,15.685 25.275,15.95 25.275,16.205 25.545,16.475 25.825,16.475 26.025,16.675 26.025,17.1 26.2,17.275 26.86,17.275 v2(27.25,16.885)
FT_D10: IC5.E9 IC6.52 | length 16.2
  Top w0.2: IC6.52@16.625,11.185 v1@16.625,11.835
  Top w0.4: v2(24.85,17.685) IC5.E9@25.25,17.285
  L6 w0.1: v1(16.625,11.885) 17.175,11.335 19.368,11.335 19.575,11.542 19.575,13.58 20.13,14.135 20.32,14.135 20.6,14.415 20.6,15.53 21.505,16.435 23.49,16.435 23.65,16.275 23.65,15.875 23.84,15.685 24.26,15.685 24.425,15.85 24.425,16.21 24.69,16.475 25.05,16.475 25.275,16.7 25.275,17.05 24.85,17.475
FT_D11: IC5.B2 IC6.53 | length 17.5
  Top w0.2: v1(17.025,10.535) IC6.53@17.025,11.185
  Top w0.4: v2(22.45,12.085) IC5.B2@22.85,11.685
  L5 w0.1: v1(17.025,10.535) 17.025,10.075 16.825,9.875 13.575,9.875 13.425,10.025 13.425,10.725 13.585,10.885 15.01,10.885 15.4,11.275 15.4,12.625 15.625,12.85 19.375,12.85 19.75,12.475 20.75,12.475 21.575,11.65 22.015,11.65 v2(22.45,12.085)
FT_D12: IC5.D9 IC6.54 | length 16.4
  Top w0.2: IC6.54@17.425,11.185 v1@17.425,11.835
  Top w0.4: v2(24.05,17.685) IC5.D9@24.45,17.285
  L6 w0.1: v1(17.425,11.885) 17.425,11.675 17.565,11.535 18.985,11.535 19.15,11.7 19.15,12.01 19.025,12.135 18.64,12.135 18.35,12.425 18.35,12.75 18.535,12.935 19.21,12.935 19.375,13.1 19.375,13.667 19.803,14.095 19.803,16.208 20.03,16.435 21.11,16.435 21.3,16.625 21.3,17.05 21.5,17.25 23.4,17.25 23.65,17 23.65,16.625 23.8,16.475 24.225,16.475 24.4,16.65 24.4,17.335 v2(24.05,17.685)
FT_D13: IC5.J9 IC6.55 | length 18.2
  Top w0.2: v1(17.825,10.535) IC6.55@17.825,11.185
  Top w0.4: v2(28.05,17.685) IC5.J9@28.45,17.285
  L6 w0.1: v1(17.825,10.535) 18.21,10.15 19.517,10.15 20.975,11.608 20.975,13.6 21.475,14.1 23.4,14.1 23.675,13.825 23.675,13.5 23.85,13.325 24.185,13.325 25.3,14.44 25.3,14.63 25.595,14.925 25.875,14.925 26.05,15.1 26.05,15.4 26.335,15.685 27.345,15.685 27.7,16.04 27.7,16.23 27.97,16.5 28.25,16.5 28.425,16.675 28.425,17.31 v2(28.05,17.685)
FT_D14: IC5.A9 IC6.56 | length 15
  Top w0.2: IC6.56@18.225,11.185 v1@18.225,11.835
  Top w0.4: v2(21.65,17.685) IC5.A9@22.05,17.285
  L6 w0.1: v1(18.225,11.885) 17.86,12.25 16.35,12.25 16.2,12.4 16.2,12.625 16.4,12.825 16.75,12.825 16.925,13 16.925,13.2 16.725,13.4 16.725,13.771 16.939,13.985 17.49,13.985 17.725,13.75 17.725,13.2 17.9,13.025 18.25,13.025 18.45,13.225 18.45,13.55 18.635,13.735 19.16,13.735 19.603,14.178 19.603,15.218 19.6,15.221 19.6,17.15 19.75,17.3 20.3,17.3 20.685,17.685 v2(21.65,17.685)
FT_D15: IC5.H9 IC6.57 | length 16.6
  Top w0.2: v1(18.625,10.535) IC6.57@18.625,11.185
  Top w0.4: v2(27.25,17.685) IC5.H9@27.65,17.285
  L6 w0.1: v1(18.625,10.535) 19.619,10.535 20.775,11.691 20.775,13.683 21.175,14.083 21.175,14.505 21.505,14.835 23.395,14.835 23.625,14.605 23.625,14.235 23.825,14.035 24.095,14.035 24.5,14.44 24.5,14.63 24.705,14.835 24.895,14.835 25.3,15.24 25.3,15.43 25.555,15.685 25.91,15.685 26.075,15.85 26.075,16.225 26.325,16.475 27.335,16.475 27.625,16.765 27.625,17.31 v2(27.25,17.685)
FT_D16: IC5.A7 IC6.60 | length 14.4
  Top w0.2: IC6.60@19.525,12.885 v1(20.175,12.885)
  Top w0.4: v2(21.65,16.085) IC5.A7@22.05,15.685
  L5 w0.1: v1(20.175,12.885) 20.175,13.075 20.55,13.45 20.975,13.45 21.3,13.125 21.3,12.74 21.505,12.535 22.525,12.535 22.8,12.26 22.8,11.525 23,11.325 23.25,11.325 23.425,11.5 23.425,12.5 23.7,12.775 23.7,13.067 23.868,13.235 24.185,13.235 24.4,13.45 24.4,15.45 24.165,15.685 23.955,15.685 23.7,15.94 23.7,16.13 23.355,16.475 22.04,16.475 v2(21.65,16.085)
FT_D17: IC5.F8 IC6.61 | length 15.7
  Top w0.2: v1(18.275,14.05) 18.275,13.575 18.565,13.285 18.875,13.285 IC6.61@19.525,13.285
  Top w0.4: v2(25.65,16.885) IC5.F8@26.05,16.485
  L4 w0.1: v1(18.275,14.05) 17.825,14.05 17.625,13.85 17.625,13.325 17.85,13.1 19.075,13.1 19.525,13.55 19.525,14.725 19.675,14.875 20.363,14.875 20.55,14.688 20.55,14.475 20.675,14.35 20.875,14.35 21.075,14.55 21.075,16.075 21.45,16.45 25.5,16.45 25.65,16.6 v2(25.65,16.885)
FT_D18: IC5.A6 IC6.62 | length 14.4
  Top w0.2: IC6.62@19.525,13.685 v1(20.175,13.685)
  Top w0.4: v2(21.65,15.285) IC5.A6@22.05,14.885
  L5 w0.1: v1(20.175,13.685) 20.235,13.685 20.4,13.85 20.975,13.85 21.59,13.235 23.585,13.235 23.7,13.35 23.7,15.55 23.515,15.735 23.11,15.735 22.875,15.5 22.875,14.415 22.595,14.135 21.505,14.135 20.525,15.115 20.525,15.775 20.675,15.925 20.884,15.925 21.524,15.285 v2(21.65,15.285)
FT_D19: IC5.E10 IC6.63 | length 14.4
  Top w0.2: v1@18.875,14.085 IC6.63@19.525,14.085
  Top w0.4: v2(24.85,18.485) IC5.E10@25.25,18.085
  L6 w0.1: v1(18.85,14.085) 19.21,14.085 19.403,14.278 19.403,15.135 19.4,15.138 19.4,17.675 19.8,18.075 20.35,18.075 20.525,18.25 20.525,18.857 20.718,19.05 20.875,19.05 20.975,18.95 20.975,18.05 21.14,17.885 21.355,17.885 21.5,18.03 21.5,18.575 21.625,18.7 21.95,18.7 22.1,18.55 22.1,18.275 22.25,18.125 23.5,18.125 23.675,18.3 23.675,18.7 23.9,18.925 24.41,18.925 v2(24.85,18.485)
FT_D20: IC5.A5 IC6.64 | length 14.4
  Top w0.2: IC6.64@19.525,14.485 v1(20.175,14.485)
  Top w0.4: v2(21.65,14.485) IC5.A5@22.05,14.085
  L5 w0.1: v1(20.175,14.485) 19.965,14.275 19.525,14.275 19.2,14.6 19.2,15.925 19.35,16.075 19.65,16.075 19.8,16.225 19.8,16.7 19.665,16.835 18.215,16.835 17.975,17.075 17.975,17.525 18.175,17.725 19.625,17.725 20.025,17.325 20.975,17.325 21.15,17.15 21.15,15.942 21.357,15.735 21.865,15.735 22.1,15.5 22.1,14.935 v2(21.65,14.485)
FT_D21: IC5.F9 IC6.65 | length 14.8
  Top w0.2: v1@18.875,14.885 IC6.65@19.525,14.885
  Top w0.4: v2(25.65,17.685) IC5.F9@26.05,17.285
  L6 w0.1: v1(18.85,14.885) 19.06,14.885 19.2,15.025 19.2,18.2 19.925,18.925 20.31,18.925 20.685,19.3 21.14,19.3 21.54,18.9 23.45,18.9 23.7,19.15 23.7,19.475 23.9,19.675 25.8,19.675 26.025,19.45 26.025,17.96 25.75,17.685 v2(25.65,17.685)
FT_D22: IC5.E8 IC6.66 | length 17.2
  Top w0.2: IC6.66@19.525,15.285 v1(20.175,15.285)
  Top w0.4: v2(24.85,16.885) IC5.E8@25.25,16.485
  L5 w0.1: v1(20.175,15.285) 20.175,15.182 20.525,14.832 20.525,14.34 20.22,14.035 19.44,14.035 18.94,14.535 18.705,14.535 18.5,14.74 18.5,15.15 18.5,16.25 17.775,16.975 17.775,17.775 18.45,18.45 19.025,18.45 19.44,18.035 20.69,18.035 21.39,17.335 23.51,17.335 23.7,17.525 23.7,17.86 23.875,18.035 24.195,18.035 24.4,17.83 24.4,17.335 v2(24.85,16.885)
FT_D23: IC5.A8 IC6.67 | length 14.6
  Top w0.2: v1@18.875,15.685 IC6.67@19.525,15.685
  Top w0.4: v2(21.65,16.885) IC5.A8@22.05,16.485
  L4 w0.1: v1(18.85,15.685) 18.5,16.035 18.5,18.55 18.375,18.675 17.825,18.675 17.625,18.475 17.625,14.7 17.89,14.435 19.135,14.435 19.325,14.625 19.325,15.425 19.585,15.685 20.402,15.685 21.602,16.885 v2(21.65,16.885)
FT_D24: IC5.K11 IC6.69 | length 14.9
  Top w0.2: v1@18.875,16.485 IC6.69@19.525,16.485
  Top w0.4: v2(28.85,19.285) IC5.K11@29.25,18.885
  L4 w0.1: v1(18.85,16.485) 18.85,16.275 19.1,16.025 19.62,16.025 20.08,16.485 20.919,16.485 21.3,16.866 21.3,17.03 21.595,17.325 25.825,17.325 26,17.15 26,16.6 26.165,16.435 26.66,16.435 26.9,16.675 26.9,17.9 27.1,18.1 27.36,18.1 27.6,18.34 27.6,18.53 27.905,18.835 28.4,18.835 v2(28.85,19.285)
FT_D25: IC5.K12 IC6.70 | length 15.1
  Top w0.2: IC6.70@19.525,16.885 v1(20.175,16.885)
  Top w0.4: v2(28.85,20.085) IC5.K12@29.25,19.685
  L4 w0.1: v1(20.175,16.885) 20.375,16.685 20.836,16.685 21.1,16.949 21.1,17.15 20.95,17.3 20.95,17.66 21.5,18.21 21.5,18.7 21.7,18.9 21.975,18.9 22.1,18.775 22.1,18.26 22.31,18.05 22.625,18.05 22.8,18.225 22.8,18.725 22.975,18.9 23.425,18.9 23.625,18.7 23.625,18.275 23.825,18.075 26.65,18.075 26.8,18.225 26.8,18.53 27.105,18.835 27.485,18.835 27.6,18.95 27.6,19.33 27.905,19.635 28.685,19.635 28.85,19.8 v2(28.85,20.085)
FT_D26: IC5.J12 IC6.71 | length 15.8
  Top w0.2: v1@18.875,17.285 IC6.71@19.525,17.285
  Top w0.4: v2(28.05,20.085) IC5.J12@28.45,19.685
  L4 w0.1: v1(18.85,17.285) 19.2,16.935 19.2,16.475 19.375,16.3 19.575,16.3 19.825,16.55 19.825,17.03 20.08,17.285 20.585,17.285 20.75,17.45 20.75,17.765 21.3,18.315 21.3,19.475 21.5,19.675 21.85,19.675 22.05,19.475 22.05,19.135 22.25,18.935 22.66,18.935 22.875,19.15 22.875,19.5 23.075,19.7 23.475,19.7 23.625,19.55 23.625,19.135 23.825,18.935 26.595,18.935 26.8,19.14 26.8,19.375 27.16,19.735 27.7,19.735 v2(28.05,20.085)
FT_D27: IC5.G12 IC6.72 | length 16.8
  Top w0.2: IC6.72@19.525,17.685 v1(20.175,17.685)
  Top w0.4: v2(26.45,20.085) IC5.G12@26.85,19.685
  L4 w0.1: v1(20.175,17.685) 20.387,17.685 21.1,18.398 21.1,19.8 21.275,19.975 21.275,21.011 21.564,21.3 21.875,21.3 22.025,21.15 22.025,19.9 22.25,19.675 22.7,19.675 22.85,19.825 22.85,21.15 23,21.3 23.45,21.3 23.625,21.125 23.625,19.9 23.825,19.7 24.325,19.7 24.45,19.825 24.45,21.15 24.6,21.3 25.075,21.3 25.25,21.125 25.25,20.725 25.44,20.535 25.957,20.535 26.407,20.085 v2(26.45,20.085)
FT_D28: IC5.L13 IC6.73 | length 17.1
  Top w0.2: v1@18.875,18.085 IC6.73@19.525,18.085
  Top w0.4: v2(29.65,20.885) IC5.L13@30.05,20.485
  L4 w0.1: v1(18.85,18.085) 19.2,18.435 19.2,18.952 19.411,19.164 19.636,19.164 19.825,18.975 19.825,18.34 20.065,18.1 20.308,18.1 20.85,18.642 20.85,19.833 21.05,20.033 21.05,21.069 21.481,21.5 25.65,21.5 26.1,21.05 26.1,20.675 26.275,20.5 29.265,20.5 v2(29.65,20.885)
FT_D29: IC5.G13 IC6.74 | length 15
  Top w0.2: IC6.74@19.525,18.485 v1(20.175,18.485)
  Top w0.4: v2(26.45,20.885) IC5.G13@26.85,20.485
  L4 w0.1: v1(20.175,18.485) 20.41,18.485 20.65,18.725 20.65,19.305 20.25,19.705 20.25,20.325 20.1,20.475 19.625,20.475 19.475,20.325 19.475,19.835 19.215,19.575 18.95,19.575 18.775,19.75 18.775,20.192 19.433,20.85 20.549,20.85 21.399,21.7 25.85,21.7 26.45,21.1 v2(26.45,20.885)
FT_D30: IC5.J13 IC6.75 | length 15.3
  Top w0.2: v1@18.875,18.885 IC6.75@19.525,18.885
  Top w0.4: v2(28.05,20.885) IC5.J13@28.45,20.485
  L4 w0.1: v1(18.85,18.885) 18.365,18.885 17.825,19.425 17.825,19.775 18.225,20.175 18.225,21.075 18.4,21.25 20.383,21.25 21.233,22.1 27.272,22.1 28.05,21.322 v2(28.05,20.885)
FT_D31: IC5.H13 IC6.76 | length 15.1
  Top w0.2: IC6.76@19.525,19.285 v1(20.175,19.285)
  Top w0.4: v2(27.25,20.885) IC5.H13@27.65,20.485
  L4 w0.1: v1(20.175,19.285) 20.175,19.497 19.972,19.7 19.625,19.7 19.175,19.25 18.775,19.25 18.575,19.45 18.575,20.275 19.35,21.05 20.466,21.05 21.316,21.9 27.189,21.9 27.773,21.317 27.773,21.123 27.535,20.885 v2(27.25,20.885)
FT_OEN: IC5.F12 IC6.13 | length 16
  Top w0.2: IC6.13@13.825,20.185 v1(13.825,20.835)
  Top w0.4: v2(25.65,20.085) IC5.F12@26.05,19.685
  L6 w0.1: v1(13.825,20.835) 15.665,22.675 23.139,22.675 23.214,22.6 23.431,22.6 24.581,21.45 25.083,21.45 25.28,21.253 25.822,21.253 26,21.075 26,20.435 v2(25.65,20.085)
FT_RDN: IC5.D12 IC6.12 | length 15
  Top w0.2: v1(14.225,19.535) IC6.12@14.225,20.185
  Top w0.4: v2(24.05,20.085) IC5.D12@24.45,19.685
  L6 w0.1: v1(14.225,19.535) 15.025,20.335 15.025,21.45 15.275,21.7 20.26,21.7 20.76,22.2 23.266,22.2 24.5,20.966 24.5,20.25 24.335,20.085 v2(24.05,20.085)
FT_RESETN: C127.1 IC5.L12 IC6.15 R55.1 | length 34.9
  Top w0.2: IC6.15@13.025,20.185 v1(13.025,20.835)
  Top w0.4: v2(29.65,20.085) IC5.L12@30.05,19.685
  L4 w0.1: v1(5.45,24.35) 5.45,24.975 7.86,27.385 8.38,27.385 9.225,26.54 9.225,25.075 10.9,23.4 10.9,22.96 v1(13.025,20.835)
  L6 w0.1: v1(13.025,20.835) 15.265,23.075 23.305,23.075 23.38,23 23.597,23 24.747,21.85 25.249,21.85 25.446,21.653 25.988,21.653 26.191,21.45 27.225,21.45 27.65,21.025 27.65,20.725 27.85,20.525 29.2,20.525 29.64,20.085 v2(29.65,20.085)
  Bottom w0.4: C127.1@4.875,23.275 C127.1@4.875,23.325 R55.1@4.875,24.375 5.425,24.375 v1(5.45,24.35)
FT_RXFN: IC5.C11 IC6.9 | length 12.5
  Top w0.2: IC6.9@15.425,20.185 v1(15.425,20.835)
  Top w0.4: v2(23.25,19.285) IC5.C11@23.65,18.885
  L6 w0.1: v1(15.425,20.835) 15.447,20.835 16.112,21.5 20.375,21.5 20.875,22 23.183,22 23.65,21.533 23.65,19.708 23.25,19.308 v2(23.25,19.285)
FT_SIWUN: IC6.10 R53.1 | length 1.3
  Top w0.2: v1(15.025,19.535) IC6.10@15.025,20.185
  Bottom w0.3: R53.1@14.975,20.175 15.025,20.125 v1(15.025,19.535)
FT_TXEN: IC5.C13 IC6.8 | length 14.8
  Top w0.2: v1(15.825,19.535) IC6.8@15.825,20.185
  Top w0.4: v2(23.25,20.885) IC5.C13@23.65,20.485
  L6 w0.1: v1@15.8,19.56 15.8,19.535 15.8,18.775 15.55,18.525 14.95,18.525 14.625,18.85 14.625,19.652 15.38,20.408 15.633,20.408 15.8,20.575 15.8,20.905 16.195,21.3 20.5,21.3 21,21.8 23.1,21.8 23.25,21.65 v2(23.25,20.885)
FT_VBUS: IC6.37 R50.1 R51.2 | length 3.1
  Top w0.2: v1(8.775,11.875) 9.385,12.485 IC6.37@10.525,12.485
  Bottom w0.6: R50.1@8.775,11.325 R51.2@8.775,12.425